# KiCad board SONATA-ONE.kicad_pcb (continued)
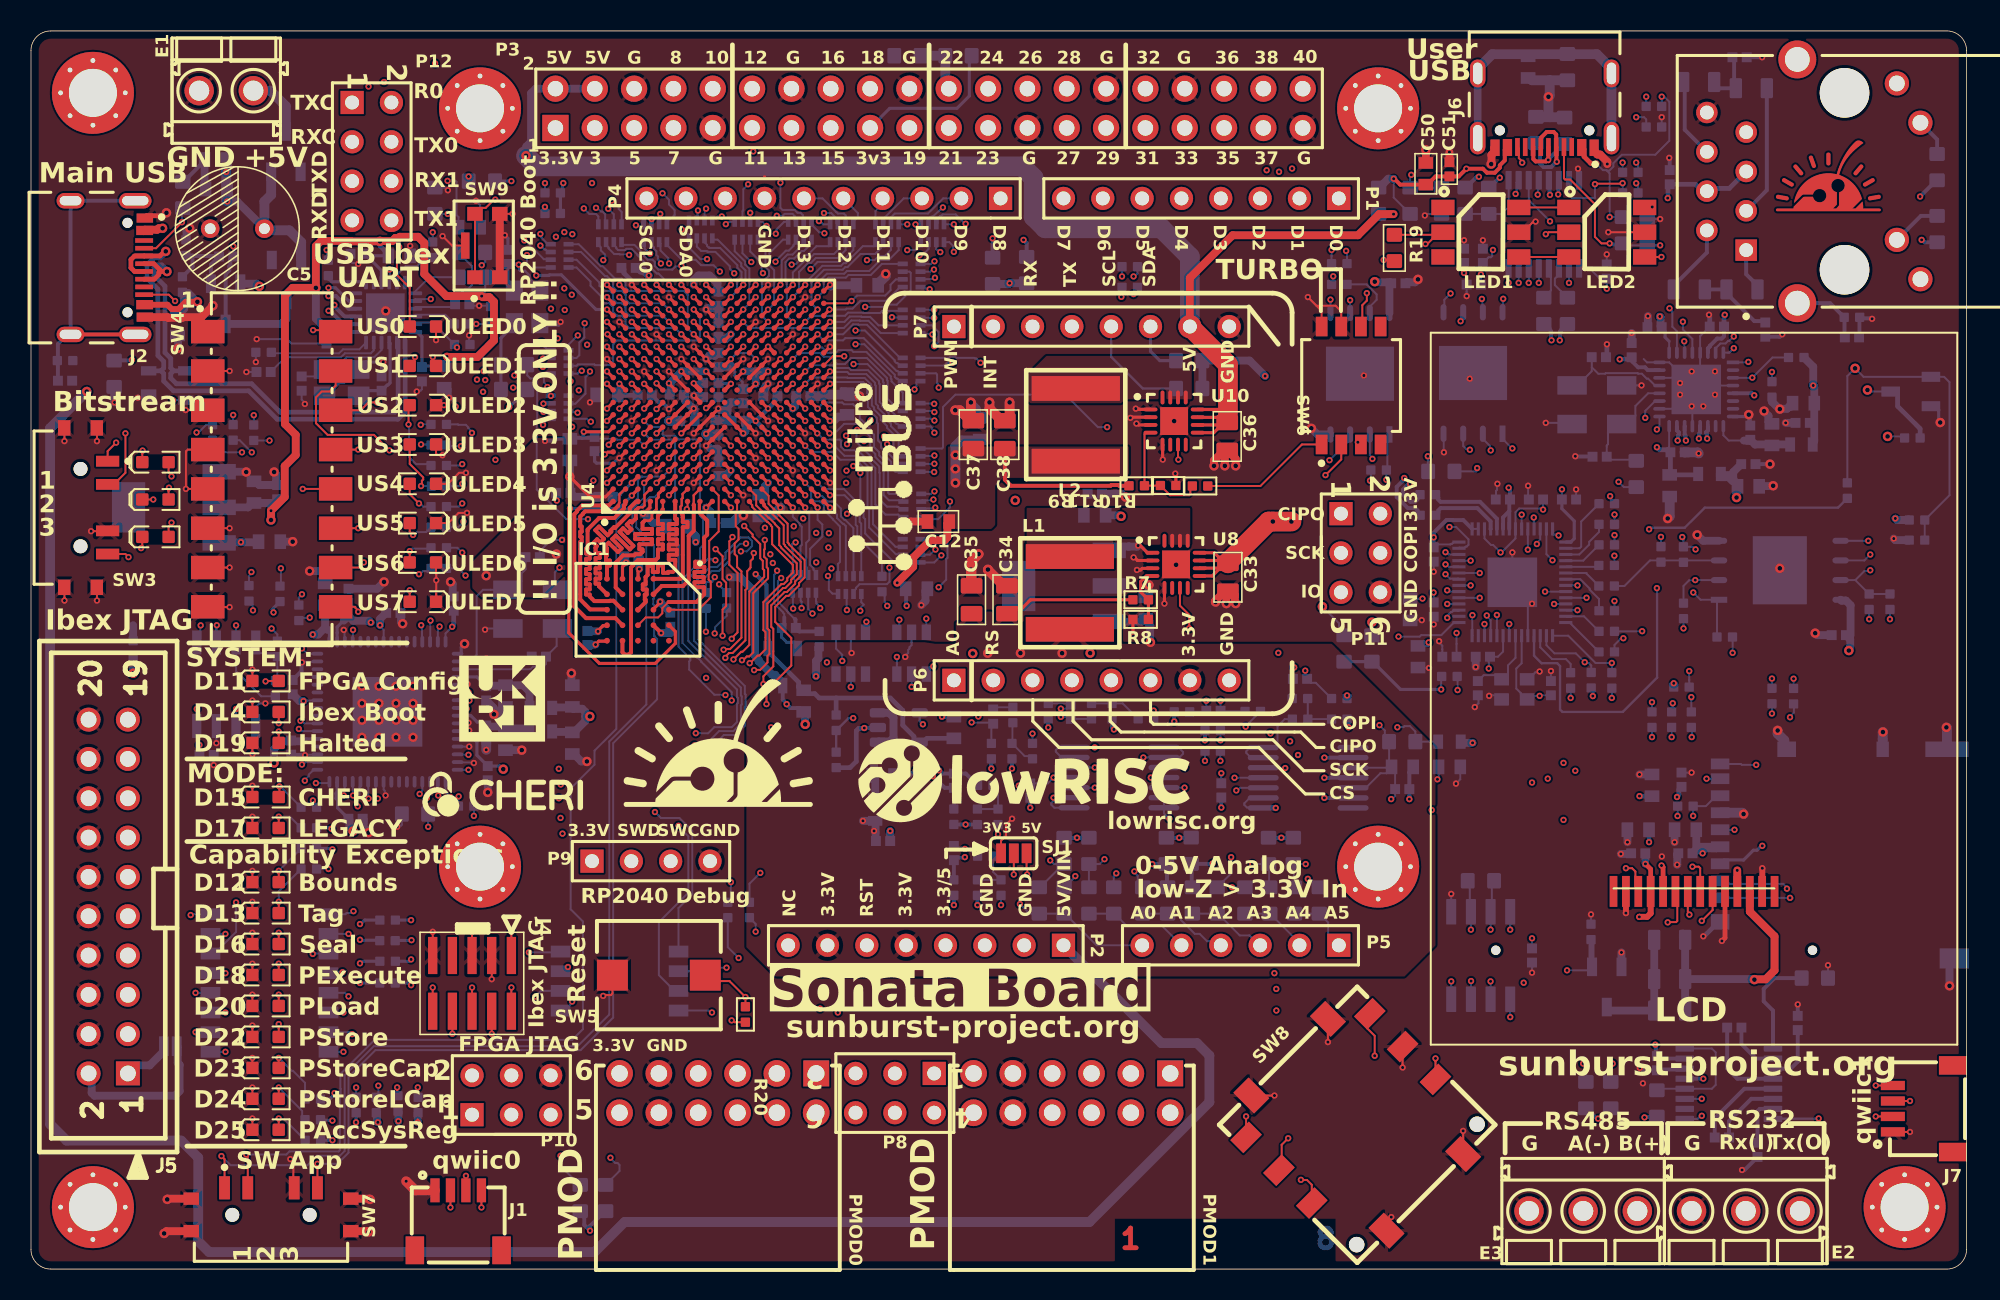
[diagram p0: board, top side]
## Routing (per net, layer and track width the routed paths; a pad name or vN(x,y) marks a point on that pad's centre or on a via; arc(x,y) is an arc through that point)
1V8_FTDI: length 44.2
  In3.Cu w0.508: 18.2,39.3 v2(18.2,41) ; 18.2,39.3 18.2,34.97 17.33,34.1 17.1,34.1 v1(15.7,32.7) ; 18.2,39.3 25,39.3 v2(27.2,41.5)
  In6.Cu w0.508: v1(30.5,32.3) 30.5,33.5 28.84,35.16 28.84,35.64 28.72,35.76 28.72,36.31 28.9,36.49 28.9,37.92 27.2,39.62 v2(27.2,41.5)
  Bottom w0.127: v2(27.2,41.5) 26.77,41.07 U5.64 ; 19.22,40.72 19.27,40.66
  Bottom w0.203: U5.37 17.76,34.26 17.6,34.1 ; 19.15,41.3 19.27,41.18 U5.49 ; v1(30.5,32.3) 30.3,32.5 C134.1 28.8,33.2 28.8,34.05 28.59,34.26 U5.12
  Bottom w0.305: C117.1 27.3,41.63 27.2,41.53 v2(27.2,41.5)
  Bottom w0.508: 19,41.45 18.55,41 v2(18.2,41) ; 19,41.45 C76.1 ; 19,41.45 19.15,41.3 ; v1(15.7,32.7) 15.7,33.6 16.19,34.09 16.73,34.09 C135.1 16.86,34.1 17.6,34.1
3V3_FTDI: length 187.1
  Top w0.127: v2(27.09,3.98) J1.2 ; SJ1.1 62.65,27.68 62.97,28 62.97,28.71 v2(63.36,29.1) ; v2(45.25,16.07) 45.32,16.07 45.44,15.95 R20.1 ; v2(24.98,9.48) 24.98,9.65 ; v2(119.14,9.86) J7.2 ; J4.1 v2(31.03,21.79) ; v2(22.4,9.48) 22.4,9.54
  Top w0.203: v2(42,61.2) U4.G15 ; U4.L17 v2(46,62.8) ; C34.1 63.41,42.73 64.03,42.73 64.55,43.25 R7.1 ; v2(39.6,62) U4.D16 ; U4.U5 v2(50.8,52.4) ; v2(38,57.2) U4.B10 ; U4.V18 v2(51.6,63.6) ; U4.N3 v2(47.6,50.8) ; U4.P16 v2(48.4,62) ; U4.P12 v2(48.4,58.8) ; v2(42.8,63.6) U4.H18 ; U4.K4 v2(45.2,51.6) ; U4.U15 v2(50.8,61.2) ; v2(38.8,59.6) U4.C13 ; U4.P8 v2(48.4,54.8) ; U4.T12 v2(50,58.8) ; U4.P6 v2(48.4,53.2) ; U4.N13 v2(47.6,59.6) ; U4.P11 v2(48.4,58) ; U4.K14 v2(45.2,60.4) ; U4.V8 51.2,55.2 51.59,54.8 v2(51.59,54.8) ; v2(37.2,62.8) U4.A17 ; U4.T2 v2(50,50) ; U4.R9 v2(49.2,55.6)
  Top w0.254: v2(47.6,59.6) U4.P13
  Top w0.305: v2(105.3,26.07) 105.4,25.97 LCD1.10 ; LCD1.11 104.6,25.84 v2(104.26,26.18)
  Top w0.381: 104.6,23.65 104.6,22.98 104.37,22.76 103.87,22.76 v2(103.87,22.75)
  Top w0.508: 110.19,24.64 v2(110.19,25.76)
  Bottom w0.127: R201.2 v2(13.06,55.19) ; v2(86.48,50.94) 86.53,51 86.53,51.14 86.53,51.14 86.53,51.18 R67.2 ; C89.1 90.58,43.08 v2(90.58,43.71) ; v2(56.46,39.55) 56.46,39.63 56.65,39.82 56.65,40.01 56.73,40.09 56.73,40.18 56.87,40.31 U22.5 ; v2(105.95,34.37) R164.2 ; C82.1 89.85,43.31 v2(89.86,43.32) ; v2(10.69,54.06) 10.82,54.06 11.32,54.56 R200.2 ; U5.56 22.77,41.29 22.54,41.52 v2(22.54,41.6) ; R199.1 15.91,41.01 v2(15.54,41.39) ; U5.20 25.27,30.92 25.1,30.74 v2(25.1,30.7) ; U16.8 v2(10.71,36.19) ; v2(104.69,34.37) R163.2 ; v2(84.1,64.15) 84.1,63.73 R62.1 ; v2(98.87,50.38) 98.86,50.37 98.86,50.2 C88.1 ; v2(53,39.81) 52.94,39.86 U23.5 ; R165.2 107.25,34.97 v2(107.25,34.37) ; v2(96.08,63.72) U13.15 ; v2(10.88,33.86) C79.1 ; R202.2 v2(14.39,55.17) ; 90.78,46.82 91.67,46.82 91.71,46.86 91.78,46.86 91.89,46.97 U11.42 ; R166.2 v2(112.43,38.15) ; R64.1 83.99,65.46 v2(83.99,65.85) ; 52.61,55.5 52.63,55.52 ; C83.1 v2(93.64,64.26) ; v2(92.06,41.1) C87.1 ; U11.10 v2(100.46,43.37) ; C114.1 v2(107.95,26.86) ; R160.2 v2(113.83,38.15) ; v2(17.6,36.7) 17.63,36.73 18.48,36.73 U5.42 ; R161.2 106.34,29.28 v2(106.34,29.27) ; R71.2 91.07,38.26 v2(91.07,37.45) ; v2(28.26,70.59) 28.26,70.31 R6.1 ; 33.93,49.9 33.96,49.9 v2(33.96,49.66) ; v2(95.53,21.93) U3.8 ; v2(54.45,28.31) 54.45,28.29 54.57,28.17 C56.1 ; C55.1 v2(92.55,64.36) ; C54.1 94.13,65.38 94.29,65.38 94.37,65.46 94.37,65.8 v2(94.42,65.85) ; R46.1 105.26,47.13 ; v2(95.08,62.69) 95.06,62.67 95.06,61.85 U18.8 ; U16.6 v2(13.25,36.19) ; U11.22 v2(95.47,41.68) ; R162.2 v2(106.09,37.85) ; v2(118.71,41.99) R45.1 ; v2(95.43,63.72) 95.43,63.9 U13.16 ; C100.1 90.9,31.79 90.83,31.72 v2(90.83,31.64) ; C65.1 v2(96.94,21.37) ; U11.43 U11.44 ; R54.1 v2(33.19,68.63) ; U11.33 v2(93.56,43.37)
  Bottom w0.152: v2(31.5,64.9) 31.55,64.85 31.55,64.54 31.59,64.5 31.9,64.5 32.2,64.2 32.2,63.99 32.87,63.32 Y2.1
  Bottom w0.2: P3.17 55.46,75 59.8,75 60.6,75.8 60.6,78.25 R212.2
  Bottom w0.203: SD1.4 108.84,27.04 108.18,27.04 108.01,26.86 v2(107.95,26.86) ; C88.1 98.86,49.14 99.67,48.33 99.67,47.2 99.44,46.97 U11.1 ; v2(31.5,64.9) 31.4,64.9 31.36,64.94 C141.1 30.8,63.64 Y2.4 ; R119.1 21,10.1 21,9.48 v2(20.99,9.48) ; Y2.1 33.05,63.4 ; U5.31 19.77,31.47 19.77,30.8 19.7,30.74 19.7,30.4 19.8,30.3 19.8,29.8 C137.1 ; U5.50 19.77,41.12 19.77,41.12 19.77,41.48 20.19,41.9 20.2,41.9 ; R134.1 R5.1 86.65,39.25 88.45,37.45 v2(91.07,37.45)
  Bottom w0.254: R126.1 37.06,3.74 36.11,2.78 v2(36.11,2.48) 35.73,2.85 35.73,3.48 R125.1 ; 90.78,46.82 C86.1 v2(90.59,47.28) 90.6,47.29 90.6,47.59 91.41,48.4 91.79,48.4 91.8,48.39 92.5,48.39 U11.43 ; U11.48 95.07,48.57 95.47,48.97 ; 95.47,48.97 95.47,49.67 C90.1 95.52,50.35 95.43,50.44 v2(95.43,50.49) ; 95.47,48.97 U11.49 ; R21.2 104.98,9.83 104.23,9.83 v2(104.2,9.8) ; R127.1 100.47,10.39 101.11,9.75 101.18,9.75 v2(101.21,9.72) 101.23,9.75 101.32,9.75 101.97,10.39 R128.1 ; U7.15 105.16,13.6 C64.2 104.93,13.83 104.93,14.47 v2(104.9,14.5)
  Bottom w0.305: v2(51.59,54.8) 51.61,54.82 51.88,54.82 51.9,54.84 ; C22.1 37.92,56.46 C110.1 37.98,56.57 37.98,57.18 v2(38,57.2) ; v2(103.88,30.56) C121.1 ; v2(104.5,27.58) C113.1 ; v2(106.3,30.5) 106.3,30.53 106.42,30.65 106.42,30.99 C122.1
  Bottom w0.508: R207.2 v2(63.2,63.7) 63.15,63.65 R206.2 ; U9.3 71.74,41.84 71.9,42 C30.1 72.1,42 72.22,41.88 72.22,41.61 72.28,41.56 72.28,40.52 v1(72.3,40.5) ; U19.8 87.73,63.58 C91.1 87.78,63.76 86.85,63.76 86.81,63.8 v1(86.78,63.8) ; v2(79.7,57.7) 78.7,58.7 R209.1 R208.1 ; R121.1 24.98,10.08 v2(24.98,9.48) ; C138.1 22.54,42 v2(22.54,41.6) ; v2(17.6,36.7) 17.34,36.7 C136.1 ; 51.9,54.84 52.14,55.08 52.48,55.08 52.5,55.1 52.5,55.14 ; v2(22.4,9.48) 22.35,9.53 22.35,10.05 R120.1 ; 44.4,63.07 44.33,63.13 44.33,63.69 43.83,64.2 43.1,64.2 42.8,63.9 v2(42.8,63.6) ; v1(20.8,28.3) 20.57,28.53 20.57,29.03 C137.1 ; L6.1 33.69,36.29 34.93,36.29 ; 121.25,48.45 R193.1 120.5,48.4 v2(120.4,48.5) ; 34.93,36.29 35.02,36.2 35.6,36.2 35.8,36 35.8,35.71 ; 34.93,36.29 C72.1 ; 47.2,50.1 47.3,50.1 47.42,50.22 47.42,50.62 v2(47.6,50.8) ; C56.1 54.54,27.68 54.54,28.94 L3.1 v2(53.73,28.96) ; 109.93,50.95 109.93,51.49 C129.1 ; 35.8,35.71 35.8,35.41 35.06,34.68 C69.1 34.93,34.71 33.69,34.71 L5.1 ; 35.8,35.71 v1(36.09,35.71) ; v2(49.2,55.6) 49.36,55.76 49.36,56.33 C26.1 ; C125.1 110.15,50.51 v1(110.15,49.85) ; C114.1 107.54,27.1 ; 107.54,27.1 107.72,27.28 108.92,27.28 109,27.2 ; 107.54,27.1 C115.1 ; L7.1 92.33,34.07 92.4,34 v2(93.1,34) ; v2(39.9,64.2) 39.87,64.2 39.57,64.5 39.4,64.5 ; v2(23.73,9.56) 23.73,10.17 R118.1 ; C111.1 51.73,63.57 51.64,63.47 ; v1(117.4,39.96) 117.4,39.99 117.49,40.08 117.49,40.69 C80.1 ; SJ2.1 8.59,14.08 7.67,13.16 6.78,13.16 J5.1 ; 44.4,60.02 44.47,60.08 44.86,60.08 44.96,60.18 44.98,60.18 v2(45.2,60.4) ; 20.5,42.2 C75.1 ; 20.5,42.2 20.2,41.9 ; 20.5,42.2 20.81,41.89 21.84,41.89 v2(21.95,41.78) ; 117.51,40.96 117.51,42.89 117.21,43.19 116.92,43.19 U17.8 ; C25.1 44.47,51.31 44.91,51.31 v2(45.2,51.6) ; v1(6.6,38.5) R203.1 ; C112.1 104.26,26.86 v2(104.26,26.18)
  Bottom w0.635: L9.1 109.13,51.23 109.13,51.23 109.65,51.23 109.93,50.95
  vias: v1(61.79,39.79) v1(63.9,39.8) v1(66.59,39.79) v2(105.26,47.31)
+1V85_XADC_VCC: length 40.2
  Top w0.305: v2(42.8,57.23) 42.8,57.21 43.2,56.81 U4.H10
  In4.Cu w0.15: v2(46.8,44.9) 46.51,45.19 45.91,45.19 45.67,45.42 45.67,45.65 45.44,45.88 45.44,46.58 44.71,47.31 44.71,47.95 44.7,47.96 44.7,48.6 44.79,48.69 44.79,53.21
  In4.Cu w0.152: 45.4,55.2 44.79,54.59 44.79,53.21
  In4.Cu w0.305: 45.4,55.2 45.8,55.6 45.8,57.28 45.4,57.68 44.28,57.68 43.83,57.23 v2(42.8,57.23)
  Bottom w0.254: v2(46.8,44.9) 47.5,44.2 47.5,40.8 47.67,40.63 ; 47.67,39.91 47.83,39.75
  Bottom w0.305: 52,36.9 50.9,36.9 50.62,37.18 50.12,37.18 C59.1 49.8,37.4 49.58,37.62 49.58,37.92 47.6,39.9 U14.1 ; 52,36.9 R37.1 ; 52,36.9 55.5,36.9 56.3,36.1 56.3,35.14 57.02,34.41 57.02,34.19 57.17,34.04 U15.5 57.62,34.04 57.87,34.29 C58.1 ; v2(42.8,57.23) 42.81,57.25 43.39,57.25 C139.1
GND: length 435.9
  Top w0.127: SW4.3 11.4,55.5 v2(9.99,55.5) ; D16.K v2(14.3,21.73) ; 16.94,5.25 16.94,6.83 16.75,7.03 v2(16.75,7.1) ; v2(26.58,66.74) 27.19,66.13 SW9.5 ; D6.K 26.16,52.69 26.25,52.6 26.55,52.6 v2(26.57,52.59) ; D20.K v2(14.3,17.73) ; D7.K 26.93,50.74 27.64,51.45 v2(28.09,51.45) ; SW6.8 83.35,61.92 83.02,62.24 ; D13.K v2(14.3,23.73) ; 4.26,54.33 v2(4.26,53.5) ; v2(36.95,17.65) 37.01,17.7 37.45,17.7 37.55,17.8 SW5.1 ; v2(14.3,31.23) D15.K ; D9.K 26.16,44.91 26.17,44.9 v2(26.17,44.5) 26.17,43.13 D10.K 26.16,43.85 ; SW4.7 v2(12.83,45.33) ; D22.K v2(14.3,15.74) ; v2(25.95,58.93) 25.95,58.57 D4.K ; v2(29.76,18.73) J4.3 ; v2(14.3,11.73) D24.K ; v2(80.3,11.21) SW8.MP1 ; D3.K v2(26.16,60.02) ; v2(101.86,67) LED2.5 ; v2(14.3,33.27) D19.K ; SW4.8 11.44,42.77 v2(12.83,42.77) ; v2(83.76,14.67) SW8.MP2 ; D12.K v2(14.3,25.73) ; v2(88.58,13.02) SW8.5 ; SW4.6 v2(12.83,47.87) ; J7.1 v2(121.35,8.86) ; 4.26,44.03 v2(4.26,43.2) ; v2(2.16,43.2) 2.16,43.37 2.16,44.03 ; D25.K v2(14.3,9.73) ; v2(28.16,48.86) 27.62,48.86 26.96,48.2 D8.K ; v2(14.3,38.73) D11.K ; D18.K v2(14.3,19.73) ; v2(82.46,62.81) 83.02,62.24 ; 83.02,62.24 84.26,62.24 84.62,61.88 SW6.7 ; D14.K v2(14.3,36.73) ; LED1.5 96.34,67 96.97,67.63 97.11,67.63 v2(97.17,67.68) ; 111.72,24.57 111.81,24.66 ; v2(87.85,3.36) 87.54,3.05 SW8.MP4 ; SW9.4 v2(31.11,68.18) ; v2(14.3,29.23) D17.K ; SW4.5 v2(10.01,50.41) 10.01,52.83 10.12,52.95 SW4.4 ; SW8.MP3 v2(92.49,8.93) ; v2(2.16,53.5) 2.16,53.67 2.16,54.33 ; J4.5 v2(28.48,21.79) ; SW4.2 v2(12.83,58.03) ; 4.96,47.68 v2(3.88,47.68) ; J4.9 v2(25.95,21.79) ; v2(14.3,13.64) D23.K ; D5.K v2(26.67,55.82)
  Top w0.2: 47.38,70.57 47.38,70.58
  Top w0.203: R8.2 71.17,40.94 v2(71.2,40.9) ; v2(38,52.4) U4.B5 ; v2(38,61.2) U4.B15 ; v2(71,55) 71.05,55.05 72.3,55.05 U10.2 ; v2(71.42,45.17) 71.67,45.17 71.77,45.27 72.42,45.27 U8.3 ; U4.A2 37.1,49.9 36.1,49.9 v1(34.8,51.2) ; U8.2 71.46,45.78 71.26,45.98 v2(71.21,45.98) ; U4.M11 U4.N12 v2(47.6,58.8) ; v2(71.5,46.75) 71.54,46.71 71.67,46.71 72.1,46.28 U8.1 ; U4.K7 U4.J6 v2(43.6,53.2) ; v2(41.2,62.8) U4.F17 ; IC1.E5 37.17,40.57 36.67,40.57 36.63,40.53 ; U4.G10 U4.F11 v2(41.2,58) ; U4.L2 v2(46,50) ; U4.K11 U4.L12 v2(46,58.8) ; v2(47.6,54.8) U4.N8 U4.M9 ; U4.J12 U4.H13 v2(42.8,59.6) ; v2(49.99,54) 49.99,54 49.6,54.4 U4.T7 ; v2(39.54,48.82) 39.59,48.82 39.97,49.2 39.97,49.57 U4.D1 ; U4.R4 v2(49.2,51.6) ; v2(38.8,63.6) U4.C18 ; U8.5 73.2,43 v2(73.2,43) ; U4.N18 v2(47.6,63.6) ; U10.3 71.53,54.54 71.44,54.63 v2(71.39,54.63) ; v2(40.4,60.4) U4.E14 ; v2(41.2,55.57) 41.2,55.58 41.6,55.98 U4.F9 ; IC1.B3 40.2,42.64 40.64,43.08 v2(40.64,43.12) ; U4.L8 U4.M7 v2(46.8,54) ; U4.V3 v2(51.6,50.8) ; v2(42.8,50.8) U4.H3 ; U4.M5 v2(46.8,52.4) ; U10.1 72.29,55.55 71.57,55.55 71.57,55.56 71.39,55.56 v2(71.35,55.6) ; U4.U10 v2(50.8,57.2) ; v2(73.09,52.3) 73.08,52.31 73.08,53.26 U10.5 ; U4.M15 v2(46.8,61.2) ; v2(44.39,55.6) 44.39,55.59 U4.J8 U4.H7 v2(42.8,54) ; v2(42,58.8) U4.G12 U4.H11 ; v2(37.2,58.8) U4.A12 ; U4.N10 v2(47.6,57.2) ; U4.T17 v2(50,62.8) ; IC1.C1 39.21,44.61 39.21,45.09 39.29,45.17 v2(39.29,45.23) ; v2(43.6,62) U4.J16 ; v2(42.8,55.6) U4.G8 U4.F7 ; R11.2 73.94,51.36 v2(73.9,51.4) ; U4.P1 v2(48.4,49.2) ; U4.V13 v2(51.6,59.6) ; v2(39.6,58) U4.D11 ; v2(40.4,51.6) U4.E4 ; U4.R14 v2(49.2,60.4) ; v2(38.8,54.8) U4.C8
  Top w0.254: v2(42.81,56.44) 42.81,56.42 43.2,56.03 U4.H9
  Top w0.305: LCD1.5 109.4,21.4 v2(109.2,21.2) ; 7.31,67.91 7.46,68.06 8.56,68.06 v1(8.75,68.25)
  Top w0.381: v2(103,23) 103,24.49 ; 111.81,24.66 v2(111.81,25.9)
  Top w0.508: v1(77.1,51.9) 77.1,52.75 C36.2 ; v1(76.4,51.9) 76.4,52.25 77.05,52.9 C36.2 ; C36.2 77.45,52.9 77.7,52.65 77.7,52.45 77.8,52.35 v1(77.8,51.9) ; v1(21.8,2.4) 21.75,2.45 20.59,2.45 ; v1(11.75,62.25) 11.01,61.51 9.81,61.51 9.76,61.46 8.86,61.46 8.8,61.51 7.31,61.51 ; v1(8.8,4.5) 8.85,4.55 10.29,4.55 ; v1(77.8,43) 77.75,43.05 77.75,43.55 77.5,43.8 C33.2 ; C33.2 77.1,43.8 76.5,43.2 v1(76.5,43.1) ; C33.2 77.2,43.7 v1(77.2,43) ; 94.55,72.5 94.5,72.45 94.5,72.18 94.32,71.99 94.32,71.42 v1(94.3,71.4) ; 20.59,4.55 21.85,4.55 v1(21.9,4.5) ; 10.29,2.45 8.75,2.45 v1(8.6,2.3) ; C50.2 v1(90.08,72.32) ; C12.2 56.79,48.3 v1(56.5,48.01) ; 100.95,72.5 100.95,72.23 101.16,72.01 101.33,72.01 101.8,71.55 v2(101.8,71.4) ; SW9.3 SW9.4 ; C51.2 v2(91.6,72.17)
  Top w0.635: v1(61.2,46.2) 60.74,45.74 C35.2 60.7,44.19 v1(60.7,45.2) ; v1(61.8,45.2) 61.8,45.18 62.83,44.15 C34.2 ; v2(24.23,5.67) 24.82,5.09 J1.1 ; v1(63.2,56) 63.2,55 63.02,54.82 C38.2 62.69,54.82 61.9,55.61 v1(61.9,56) ; v1(60.7,56) 60.7,54.97 C37.2 60.66,54.82 59.98,55.49 v1(59.69,55.49)
  In4.Cu w0.127: 43.6,55 43.5,55 43.2,55.3 43.2,56.05 v2(42.81,56.44)
  In4.Cu w0.152: v2(45.1,44.7) 45.1,44.77 44.87,45 44.87,45.3 44.78,45.39 44.03,45.39 43.59,45.83 43.59,48.62 44.01,49.03 44.01,54.14 43.89,54.26 43.89,54.71 43.6,55
  Bottom w0.127: v2(28.25,35.3) 28.23,35.28 27.57,35.28 U5.10 ; C82.2 89.08,41.93 v2(89.82,41.93) ; U5.5 27.57,37.78 28.17,37.78 v2(28.19,37.8) ; U5.13 28.3,33.76 v2(28.3,33.76) ; C79.2 v2(11.8,32.56) ; C131.2 107.79,60.28 U6.29 107.79,57.09 ; v2(20.2,41.3) 20.25,41.25 20.25,40.56 U5.51 ; v2(104.01,57.1) 103.83,57.1 Y3.4 ; R16.2 v2(14.52,58.61) ; R39.2 v2(116.05,19.63) ; 34.9,51.1 34.92,51.1 ; C84.2 96.68,49.77 v2(96.68,50.61) ; C54.2 v2(93.77,66.48) ; R24.2 v2(105.21,67.85) ; v2(22.9,30.6) 22.85,30.65 22.85,30.91 22.77,30.98 U5.25 ; U6.13 107.29,55.5 107.23,55.57 ; U6.33 107.79,57.09 ; U6.33 105.79,58.59 U6.24 104.36,58.59 104.15,58.8 ; U6.33 106.29,55.59 U6.18 ; 107.79,57.09 U6.4 ; v2(56.87,37.61) U22.2 ; C44.2 16.82,59.81 16.54,60.09 v2(14.58,60.09) ; C72.2 34.85,37.84 ; R133.2 v2(100.75,22.91) ; v2(34.13,45.33) 33.83,45.03 33.83,44.06 Y1.2 ; v2(90.59,41.65) C89.2 ; C53.2 v2(101.76,65.57) ; R28.2 90.19,68.18 90.09,68.08 v2(90.02,68.08) ; 52.61,56.9 52.36,56.9 52.35,56.91 ; C122.2 v2(107.24,32.08) ; R14.2 28.29,59.8 v2(28.29,60.33) ; v2(86.08,57.74) 85.97,57.85 U19.9 ; U18.9 92.91,57.68 v2(92.91,57.53) ; R33.2 99.29,76.75 ; C90.2 94.53,49.8 94.61,49.89 94.61,50.28 94.68,50.34 94.68,50.71 v2(94.7,50.74) ; R43.2 23.95,28.71 23.87,28.63 23.7,28.63 v2(23.65,28.57) ; U5.15 27.57,32.73 28.57,32.73 v2(28.6,32.7) ; C43.2 25.25,56.84 25.16,56.76 24.97,56.76 v2(24.92,56.7) ; v2(92.72,62.87) C83.2 ; C81.2 89.6,38.84 v2(90.29,38.84) ; v2(97.43,38.61) 97.37,38.56 97.15,38.56 96.7,38.11 X2.4 ; v2(93.24,36.31) 93.24,36.32 93.48,36.56 93.48,37.03 C93.2 ; v2(29.4,39.46) 31.32,39.46 31.59,39.19 31.77,39.19 31.89,39.31 32.08,39.31 C78.2 ; U3.5 v2(91.72,24.24) ; v2(11.98,33.98) U16.7 ; U5.35 18.48,33.23 17.73,33.23 v2(17.7,33.2) ; v2(92.55,66.48) C55.2 ; C92.2 v2(98.16,38.64) ; C48.2 v2(13.91,57.96) ; v2(91.25,52.77) 91.24,52.78 91.24,53.96 U18.4 ; v2(24.49,66.12) 24.49,66.1 C45.2 ; C46.2 20.64,65.13 20.76,65 21.08,65 v2(21.13,64.95) ; v2(28.74,69.03) 28.74,69.01 29.01,68.74 C47.2 ; R13.2 29.62,62.25 v2(28.94,62.25) 28.41,62.25 C94.2 ; U1.1 7.56,56.3 v2(6.9,56.3) ; C70.2 30.67,33.5 ; C77.2 32.86,46.46 32.91,46.51 32.98,46.51 33.59,47.11 v2(34.3,47.11) ; U11.19 96.67,42.84 96.82,42.99 v2(96.94,42.99) ; v2(106.5,57.25) 106.16,57.59 U6.22 ; v2(97.83,54.68) 99.45,54.68 Y3.2 ; C88.2 v2(99.78,50.37) ; C87.2 91.14,40.28 90.94,40.49 v2(90.94,40.57) ; C100.2 92.3,31.65 92.03,31.37 v2(92.03,31.37) ; R17.1 26.72,69.88 26.89,69.71 v2(26.92,69.71) ; U23.2 v2(52.94,37.61) ; v2(29.32,41.32) 29.4,41.32 29.47,41.39 Y1.4 ; R25.2 v2(105.31,74.43) ; U5.11 27.57,34.78 28.28,34.78 v2(28.3,34.8) ; U13.8 99.94,70.39 99.94,71.07 v2(99.91,71.1) ; v1(22.91,61.91) 22.93,61.91 ; v2(17.69,55.9) 17.69,55.97 17.48,56.18 C95.2 ; 119.58,34.24 119.58,34.41 ; v2(15.14,36.55) 15.14,36.55 14.75,36.55 14.52,36.32 U16.5 ; v2(17.5,39.2) 17.53,39.23 18.48,39.23 U5.47 ; X2.2 94.71,37.07 94.2,37.07 v2(94.17,37.04) ; U11.57 v2(95.67,46.3) ; v2(90.59,45.06) C86.2 ; v2(96.94,19.15) C65.2
  Bottom w0.203: 22.63,58.5 22.64,58.49 C96.2 ; 22.63,58.5 22.52,58.61 21.64,58.61 X1.4 21.06,58.13 20.21,57.28 19.91,57.28 19.06,56.43 X1.2 ; 22.63,58.5 v2(22.75,58.61) ; C18.2 36.4,52.19 36.52,52.07 37.62,52.07 37.95,52.4 v2(38,52.4) ; Q3.2 122.98,55.75 123.2,55.53 123.2,54.8 v1(123.3,54.7) ; v2(30.6,66.8) 30.8,66.6 C141.2 ; v1(110.93,55.21) 110.82,55.21 110.7,55.09 U6.8 ; v1(28,40.4) 27.79,40.19 27.79,39.78 27.77,39.76 U5.1 ; 33.33,61.13 32.87,61.13 Y2.2 32.99,61 34.08,61 34.08,61.03 34.2,61.15 v2(34.2,61.2)
  Bottom w0.254: C63.1 v2(114.1,17.1) ; R76.1 v2(67.55,27.87) R87.1 ; v2(72.32,31.76) U20.11 ; v2(83.53,33.04) U21.9 ; R81.1 59.6,24.15 59.6,23.52 v2(59.6,23.52) ; R109.2 69.82,34.98 v2(69.94,34.87) ; v2(17.7,33.2) 17.68,33.22 16.82,33.22 C135.2 ; C58.2 v2(58.83,35.69) ; v2(83.53,31.74) U21.11 ; C59.2 49.65,36.25 49.05,36.25 v2(48.8,36.5) 48.8,36.54 48.55,36.79 U14.3 ; R101.1 74.92,27.87 74.16,27.87 v2(74.15,27.87) R94.1 ; v2(73.83,35.38) 73.83,35.55 R103.1 ; R116.2 85.06,35.47 85.06,35.03 v2(85.09,35) ; v2(61.12,23.52) R80.2 ; U7.14 106.75,12.9 105.05,12.9 C64.1 104.1,12.84 103.94,13 v2(103.9,13) ; C120.2 105.83,71.77 v2(105.8,71.8) ; v2(57.14,32.23) 57.1,32.23 56.76,31.89 C57.2 ; v2(63.35,32.34) R95.2 ; v2(17.5,39.2) 17.47,39.17 17.47,38.63 C136.2 ; R96.1 v2(62.02,32.34) ; R1.2 10,70.45 10.05,70.45 10.95,71.35 10.96,71.35 11.21,71.59 C3.2 ; v2(41.2,55.57) 40.84,55.93 40.81,55.93 40.71,56.03 40.53,56.03 C22.2 ; C129.2 v1(112.3,52.01) ; C118.2 118.08,60.22 118.08,61.48 R135.2 118.2,61.4 118.23,61.43 118.87,61.43 v2(118.9,61.4) ; v2(110.5,6.4) 110.66,6.4 C62.2 ; v2(76.87,29.82) C99.2 ; R102.2 v2(75.82,34.17) ; R90.1 59.6,28.73 v2(60.36,28.73) 61.12,28.73 R88.2 ; v2(64.53,29.81) C97.2 ; C101.2 89.26,32.35 89.02,32.1 C102.2 v2(89.02,30.36) ; v2(83.53,30.44) U21.13 ; C142.1 112.94,60.24 v2(113.1,60.4) ; v2(65.7,34.99) R110.1 ; R117.1 v2(84.99,37.06) ; C119.1 v2(111.8,78.3) ; C108.2 100.83,52.5 99.75,52.5 v2(99.73,52.52) ; v2(53.82,34.96) 53.83,34.98 54.68,34.98 U15.2 ; R115.1 v2(80.75,27.87) R108.1
  Bottom w0.305: v2(108.37,61.66) 108.37,61.63 108.42,61.59 C131.2 ; v2(38.8,63.6) 38.78,63.62 38.78,63.86 38.29,64.35 38.29,64.61 38.27,64.63 38.1,64.63 ; v2(101.77,59.75) 101.77,58.98 C109.2 ; R38.2 52.9,32.4 53.3,32.8 53.3,34.78 53.46,34.94 53.8,34.94 v2(53.82,34.96) ; SD1.11 108.98,22.43 108.07,21.52 108.02,21.52 v2(108,21.5) ; C128.2 110.98,54.55 110.98,55.16 v1(110.93,55.21)
  Bottom w0.5: 40.18,48.22 39.76,48.64 39.73,48.64 39.56,48.82 v2(39.54,48.82)
  Bottom w0.508: C8.2 45.23,54.84 44.98,54.84 ; U19.4 83.08,53.93 v1(82.68,54.33) ; U9.1 69.88,46.68 70.88,46.68 ; v2(5.4,56) 5.37,56.03 R4.2 ; v1(70.69,49.88) 70.66,49.88 70.45,50.1 C31.2 ; v1(21.8,28.2) 21.49,28.51 21.49,29.03 C137.2 ; C138.2 23.9,42.36 23.9,41.8 v1(24,41.7) ; v1(22.8,44.4) 22.36,43.96 C75.2 20.56,43.9 ; R205.2 120.4,47.1 v2(120.3,47.2) ; C59.2 50,35.9 v1(50,35.2) ; v1(15.7,51.5) 15.83,51.37 15.83,50.73 C40.2 14.74,50.66 14.5,50.9 C41.2 ; v1(29.5,30.8) C134.2 ; C85.2 93.3,39.56 v2(93.3,38.9) ; U17.9 113.07,45.28 v1(112.94,45.28) ; C70.2 v1(31.69,33.53) ; C56.2 v2(55.49,28.31) ; v1(18,45.1) 18.7,45.1 19,44.8 C76.2 ; 70.88,46.68 71.43,46.68 v2(71.5,46.75) ; 70.88,46.68 70.9,46.7 ; v1(115.23,41.09) 115.35,40.96 C80.2 ; v2(45.1,44.7) 45.8,44.7 46.75,43.75 46.75,39.64 46.92,39.47 46.92,39.44 47,39.36 47,39.28 47.88,38.4 48.05,38.4 48.55,37.9 U14.3 ; v1(112.51,50.61) 112.49,50.59 111.63,50.59 C125.2 ; C112.2 103.3,26.82 v2(102.67,26.82) ; C73.2 30.54,36.32 30.09,35.87 29.92,35.87 v1(29.9,35.85) 29.88,35.87 29.88,36.26 C74.2 ; v2(106.14,27.58) C115.2 ; C133.2 104.42,60.89 v2(104.42,61.57) ; v1(89.57,63.95) 89.38,63.76 88.83,63.76 C91.2 ; C114.2 106.32,26.8 106.32,26.14 v2(106.31,26.13) ; 40.18,48.22 40.87,48.22 40.99,48.1 C19.2 ; v2(27,56.3) 26.9,56.4 26.9,56.83 26.78,56.95 C42.2 ; v2(39.29,45.23) 39.29,45.98 C67.2 ; C66.2 40.67,43.05 40.67,43.09 v2(40.64,43.12) ; C123.2 113.76,55.85 113.64,55.73 113.54,55.73 113.4,55.59 112.96,55.59 v1(112.94,55.57) 112.91,55.57 112.46,56.02 112.43,56.02 ; v1(123.9,18.3) 123.9,20.1 ; 44.98,54.84 44.98,55.5 ; 44.98,54.84 44.21,54.84 C10.2 ; 11.21,69.79 11.21,71.59 ; v1(13.9,51.5) 13.88,51.52 U2.1 ; 44.98,55.5 44.98,55.74 45.1,55.86 45.1,55.93 45.18,56.01 45.93,56.01 C16.2 ; 44.98,55.5 44.49,55.5 ; C9.2 47.36,56.47 47.36,56.86 47.44,56.94 47.44,57.04 v2(47.6,57.2) ; v2(36.46,40.35) 35.96,40.35 C68.2 ; R195.1 50.85,40.15 50.85,39.45 50.7,39.3 v2(50.7,38.3) ; R3.2 10.05,66.55 10.05,67.05 v1(10.25,67.25) ; Q2.2 v2(102.71,20.46) ; v2(57.5,42.9) 57.77,43.17 57.77,43.84 C11.2 ; v2(103.88,31.96) C121.2 ; C7.2 42.23,56.43 42.23,56.13 42.75,55.6 v2(42.8,55.6) ; 44.25,59.1 44.17,59.02 43.8,59.02 v2(43.59,58.8) ; C15.2 35.09,49.9 C21.2 34.82,50.18 34.82,51.18 v1(34.8,51.2) C20.2 ; C139.2 43.33,56.41 42.85,56.41 v2(42.81,56.44) ; C30.2 72.08,43.4 72.2,43.52 v1(72.2,44.2) ; v1(60.7,56) 60.7,55.97 61.08,55.59 61.08,55.12 61.2,55 C13.2 ; C6.2 42.86,55.6 ; C39.2 v1(16.9,47) ; v1(27.1,44.4) 27.23,44.27 27.23,43.53 C117.2 ; C32.2 70.31,48.7 70.37,48.64 v1(70.4,48.64) ; v2(103.1,27.58) 103.1,28.38 C113.2 ; v2(113.32,54.68) C127.2 ; v2(43.6,62) 43.68,62.08 44.33,62.08 44.4,62.15 44.4,61.06 ; U17.4 107.99,47.06 v1(107.61,47.44) ; 34.9,37.79 v1(34.9,38.5) ; C124.2 112.33,54.62 112.21,54.74 112.21,55.12 111.92,55.41 v1(111.92,55.44) ; C132.2 v2(103.37,60.48) ; C1.2 9.5,60.3 v1(9.5,59.5) ; C25.2 44.4,52.94 44.33,53.01 43.89,53.01 43.8,53.1 ; C69.2 35.06,33.28 35.54,32.8 v1(35.9,32.8)
  Bottom w0.635: v1(105.7,48.5) 105.83,48.63 C126.2 ; v1(110.6,29.4) 110.52,29.48 SD1.6 ; SD1.10 119.58,34.69 v1(119.6,34.7) ; v2(29.4,33.55) C71.2 ; 98.08,76.81 R33.2 ; 98.08,76.81 98.08,75.83 v1(98,75.75) 98,74.54 98.12,74.43 ; 98.08,76.81 96.93,76.81 96.78,76.96 C52.2 ; SD1.12 113.23,33.74 113.23,34.17 112.8,34.6 v1(112.8,34.8) ; R36.1 99.02,74.43 98.12,74.43 ; C111.2 54.71,63.67 55.2,64.16 v1(55.2,64.3) ; SD1.13 123.73,34.97 v1(123.7,35) ; 98.12,74.43 97.22,74.43 R35.1 ; C130.2 106.8,52.77 107.63,52.77 v2(107.7,52.7) ; C26.2 50.34,56.4 51.1,56.4 51.2,56.5 52.6,56.5 52.7,56.4 v1(53.5,56.4) ; v2(48.4,49.2) 47.9,48.7 47.2,48.7 ; C14.2 44.86,48.2 45.3,48.2 45.81,48.71 v1(46.01,48.71)
  vias: v1(73.83,54.79) v1(73.95,45.5) v2(36.1,56) v2(104.1,12) v2(105.32,26.66) v2(106.5,56.5) v2(107.25,58) v2(107.25,55.75) v2(108,55.75) v2(108.75,58) v2(108.75,56.5) v3(21.37,37.66) v3(21.37,36.56) v3(21.37,35.46) v3(21.37,34.36) v3(22.47,37.66) v3(22.47,36.56) v3(22.47,35.46) v3(22.47,34.36) v3(23.57,37.66) v3(23.57,36.56) v3(23.57,35.46) v3(23.57,34.36) v3(24.67,37.66) v3(24.67,36.56) v3(24.67,35.46) v3(24.67,34.36)
VCC1V8: length 134
  Top w0.203: 36.58,41.21 36.94,41.57 37.17,41.57 IC1.E4 ; U4.M12 v2(46.8,58.8) ; v2(39.6,53.2) U4.D6 ; v2(38.43,45.66) 38.43,45.6 38.2,45.38 IC1.D1 ; v2(42,52.4) U4.G5 ; U4.K12 v2(45.2,58.8) ; v2(43.6,49.2) U4.J1 ; U4.A7 37.3,54.1 v2(35.7,54.1) ; v2(42.8,58.8) U4.H12 ; v2(38.8,50.8) U4.C3 ; v2(40.4,54.8) U4.E8 ; v2(41.2,50) U4.F2 ; v2(41.2,58.8) U4.F12
  Top w0.254: v2(40.7,41.1) 40.7,41.1 40.2,41.6 IC1.B4
  In4.Cu w0.305: v2(101.76,63.35) 102.6,62.51 v2(102.6,58.78)
  In4.Cu w0.508: v2(115.1,57.09) 111.92,57.09 v2(111.29,56.46) 110.05,56.46 109.7,56.8 109.7,58.7 109.38,59.02 v2(109.38,61.66) 109.38,62.52 107.84,64.06 103.66,64.06 ; 103.66,64.06 v2(103.66,71.5) ; 103.66,64.06 102.95,63.35 v2(101.76,63.35) ; 103.66,64.06 105.19,62.54 v2(105.19,61.55)
  In4.Cu w0.635: v1(63.56,49.67) 63.5,49.73 63.5,50.48 63.87,50.85 73.53,50.85 73.63,50.75 78.05,50.75 82.6,55.3 97.3,55.3 100.1,58.1 100.1,62.2 101.25,63.35 v2(101.76,63.35)
  In6.Cu w0.127: 41.6,52.8 40,52.8 v2(39.6,53.2)
  In6.Cu w0.203: 41.6,52.8 v2(42,52.4)
  Bottom w0.127: R30.2 103.79,71.36 103.66,71.48 v2(103.66,71.5) ; v2(45.2,58.8) 45.59,59.19 46.41,59.19 v2(46.8,58.8) ; v2(101.76,63.35) C53.1 101.32,64 100.66,64.65 U13.9 ; U6.25 105.79,59.95 ; R32.2 103.79,70.03 103.67,70.15 v2(103.67,70.16) ; v2(39.6,53.2) 39.21,53.59 37.85,53.59 37.79,53.65 36.39,53.65 36.34,53.71
  Bottom w0.152: v2(45.2,58.8) 45.25,58.75 45.25,58.38 45.44,58.19 45.44,57.72 45.62,57.54 45.72,57.54 45.94,57.32 45.94,56.92 C16.1
  Bottom w0.203: 105.79,59.95 105.53,60.21 105.53,60.64 C133.1 ; v2(38.8,50.8) 38.06,50.06 37.72,50.06 C15.1 ; v2(35.7,54.1) 35.66,54.06 35.66,53.77 35.6,53.71
  Bottom w0.254: U6.30 108.29,59.48 108.42,59.61 108.42,59.65 108.89,60.12 109.19,60.12 109.34,60.27 C131.1 ; U6.23 104.41,58.09 104.23,58.27 103.79,58.27 103.42,58.64 103.42,58.87 ; v2(33.2,53.51) 33.21,53.52 33.78,53.52 33.91,53.65 C20.1 34.86,53.71 36.34,53.71 ; U6.5 111.16,56.59 v2(111.29,56.46)
  Bottom w0.305: v2(102.6,58.78) 102.62,58.8 103.26,58.8 C132.1 ; C131.1 109.34,61.59 109.38,61.63 v2(109.38,61.66)
  Bottom w0.508: C66.1 41.3,41.1 v2(40.7,41.1) ; C133.1 105.24,60.93 105.24,61.5 v2(105.19,61.55) ; C67.1 38.38,45.98 38.38,45.71 v2(38.43,45.66) ; C14.1 43.87,48.27 43.87,48.93 v2(43.6,49.2) ; 44.55,58.3 45.1,58.3 45.2,58.4 ; v2(42.93,46.97) 42.93,47.36 42.39,47.9 C19.1 ; R211.1 115.1,58.3 v2(115.1,57.09) 115.16,57.03 C123.1 115.16,53.52 115.07,53.42 L8.1 ; C68.1 35.97,41.2 v2(36.62,41.2)
  vias: v1(29.4,44.8) v1(33.93,46.2) v1(60.82,39.77) v1(68.4,39.8)
VCC_1V8A: length 5.2
  Bottom w0.127: U6.9 109.29,53.88 109.64,53.53 110.62,53.53
  Bottom w0.508: L8.2 111.34,53.28 C128.1 110.99,53.53 110.62,53.53
VCCINT: length 45.2
  Top w0.203: U4.G9 U4.F8 v2(41.2,54.8) ; v2(43.6,53.97) 43.6,53.98 44,54.38 U4.J7 ; U4.N11 v2(47.6,58) ; U4.N7 v2(47.6,54) ; v2(46,54) U4.L7 U4.K8 ; U4.M10 v2(46.8,57.2) ; v2(42,58) U4.G11 ; v2(41.2,57.23) 41.2,57.22 41.6,56.82 U4.F10 ; U4.H8 U4.G7 v2(42,54) ; U4.L11 v2(46,58) ; v2(43.6,58) U4.J11 ; U4.N9 v2(47.6,55.6) ; U4.M8 v2(46.8,54.8)
  Top w0.254: C38.1 62.89,51.01 63.28,50.61 69.72,50.61 69.77,50.66 70.23,50.66 70.28,50.61 R9.1
  Top w0.508: C12.1 59.18,48.18 59.18,47.28 59,47.1 58.1,47.1 56.97,45.97 56.97,45.37 v2(55.94,44.34)
  Bottom w0.254: v2(56.55,42.85) 56.52,42.88 56.52,44.02 56.24,44.3 56.02,44.3 55.98,44.34 v2(55.94,44.34)
  Bottom w0.305: C9.1 48.04,56.23 48.04,56.04 v2(47.6,55.6) v2(46.8,54.8) v2(47.6,54) ; C8.1 46.18,54.81 46.78,54.81 46.79,54.79
  Bottom w0.508: v2(46,54) 46.14,54.14 46.14,54.79 C8.1 ; v2(46,58) 46.8,58 ; 46.8,58 v2(47.6,58) ; 46.8,58 v2(46.8,57.2) ; v2(43.6,58) v2(42,58) 42,57.97 41.31,57.28 41.31,56.57 C7.1
  Bottom w0.635: v2(41.2,54.8) C6.1 ; C13.1 61.24,53.54 60.07,53.54 59.7,53.17 v1(59.7,52.6) v1(59.7,51.7) v1(59.7,50.8) ; 44.4,53.86 44.4,53.86 43.71,53.86 v2(43.6,53.97)
